# Altium PCB PCB_proj_module.PcbDoc (part 1 of 3) (continued)
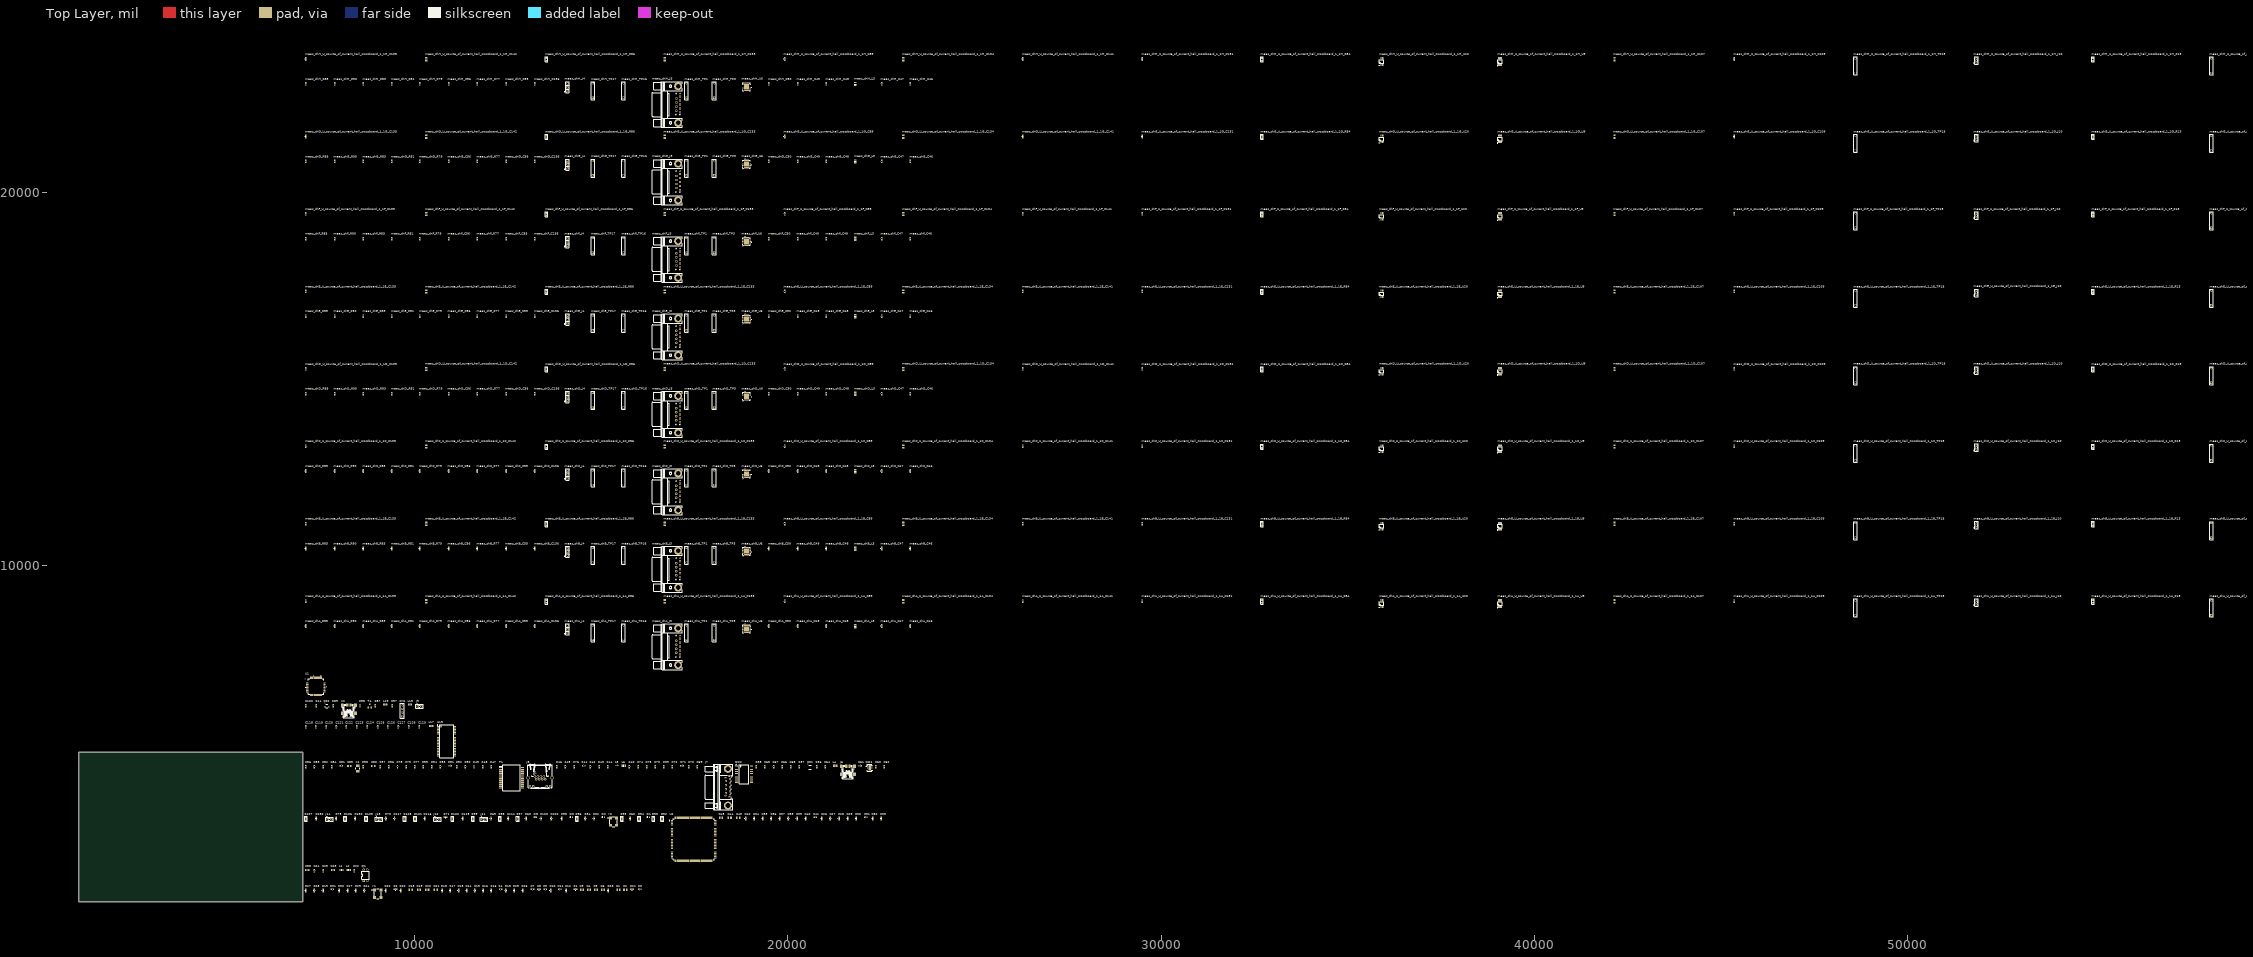
[diagram p0: Top Layer view]
## Classes and differential pairs (continued)
component class AD7768: C1 C2 C3 C4 C5 C6 C7 C8 C9 C10 C11 C12 C13 C14 C15 C16 C17 C18 C19 C20 C21 R1 R2 R3 R4 R15 R16 R17 R18 R19 R20 R21 R22 R23 R24 R25 R26 R27 R28 R29 R30 R31 Y1

## Components (designator, comment, footprint, x,y, rotation, side; value= is the part's Value field where it differs from the comment)
C1 "1uF" 0805C 15460,1320 r0 top
C2 "1uF" 0805C 15645,1320 r0 top
C3 "1uF" 0805C 14485,1320 r0 top
C4 "1uF" 0805C 14670,1320 r0 top
C5 "1uF" 0805C 14860,1320 r0 top
C6 "1uF" 0805C 15045,1320 r0 top
C7 "100nF" 0603C 13155,1330 r0 top
C8 "100nF" 0603C 13330,1330 r0 top
C9 "100nF" 0603C 13500,1330 r0 top
C10 "100nF" 0603C 13640,1300 r90 top
C11 "100nF" 0603C 13890,1330 r0 top
C12 "100nF" 0603C 14060,1300 r90 top
C13 "100nF" 0603C 11175,1300 r90 top
C14 "100nF" 0603C 11395,1300 r90 top
C15 "100nF" 0603C 11615,1300 r90 top
C16 "100nF" 0603C 11835,1300 r90 top
C17 "100nF" 0603C 8205,1300 r90 top
C18 "1uF" 0805C 9895,1320 r0 top
C19 "1uF" 0805C 10115,1320 r0 top
C20 "1uF" 0805C 10335,1320 r0 top
C21 "1uF" 0805C 10565,1320 r0 top
C22 "100nF" 0603C 8380,1830 r90 top
C23 "10uF" 0805C 7810,1850 r0 top
C24 "100nF" 0603C 7315,1830 r90 top
C25 "100nF" 0603C 7545,1830 r90 top
C26 "100nF" 0603C 20910,3230 r90 top
C27 "100nF" 0603C 21140,3230 r90 top
C28 "100nF" 0603C 21370,3230 r90 top
C29 "100nF" 0603C 21600,3230 r90 top
C30 "100nF" 0603C 21830,3230 r90 top
C31 "100nF" 0603C 22090,3260 r0 top
C32 "100nF" 0603C 22270,3230 r90 top
C33 "100nF" 0603C 22500,3230 r90 top
C34 "100nF" 0603C 19095,3230 r90 top
C35 "100nF" 0603C 19325,3230 r90 top
C36 "100nF" 0603C 19555,3230 r90 top
C37 "100nF" 0603C 19785,3230 r90 top
C38 "100nF" 0603C 20015,3230 r90 top
C39 "100nF" 0603C 20245,3230 r90 top
C40 "100nF" 0603C 20475,3230 r90 top
C41 "100nF" 0603C 20735,3260 r0 top
C42 "100nF" 0603C 18865,3230 r90 top
C43 "10uF" 0805C 18670,3250 r0 top
C44 "10uF" 0805C 18440,3250 r0 top
C45 "2.2uF" 0805C 18210,3250 r0 top
C58 "10uF" 0805C 7120,1850 r0 top
C60 "100nF" 0603C 15775,3230 r90 top
C61 "100nF" 0603C 21935,4650 r0 top
C62 "100nF" 0603C 22585,4620 r90 top
C63 "100nF" 0603C 22355,4620 r90 top
C64 "100nF" 0603C 21000,4620 r90 top
C65 "100nF" 0603C 20075,4620 r90 top
C66 "100nF" 0603C 19845,4620 r90 top
C67 "100nF" 0603C 19615,4620 r90 top
C68 "100nF" 0603C 19385,4620 r90 top
C69 "100nF" 0603C 17575,4620 r90 top
C70 "100nF" 0603C 17345,4620 r90 top
C71 "100nF" 0603C 17165,4650 r0 top
C72 "100nF" 0603C 16905,4620 r90 top
C73 "100nF" 0603C 16445,4620 r90 top
C74 "100nF" 0603C 15985,4620 r90 top
C75 "100nF" 0603C 16215,4620 r90 top
C76 "100nF" 0603C 14270,4620 r90 top
C77 "100nF" 0603C 10000,4620 r90 top
C78 "100nF" 0603C 9540,4620 r90 top
C79 "100nF" 0603C 9770,4620 r90 top
C80 "1uF" 0805C 8890,4640 r0 top
C81 "100nF" 0603C 8035,4650 r0 top
C82 "100nF" 0603C 7545,4620 r90 top
C83 "100nF" 0603C 7315,4620 r90 top
C84 "100nF" 0603C 7775,4620 r90 top
C85 "10uF" 0805C 8250,4640 r0 top
C86 "100nF" 0603C 7085,4620 r90 top
C97 "100nF" 0603C 9395,6255 r90 top
C100 "100nF" 0603C 7085,6255 r90 top
C102 "1nF" 0603C 13665,3230 r90 top value=100nF
C103 "100nF" 0603C 13385,3230 r90 top
C111 "100nF" 0603C 12505,3230 r90 top
C115 "1nF" 0603C 11285,3230 r90 top value=100nF
C116 "100nF" 0603C 10270,3230 r90 top
C117 "1nF" 0603C 9460,3230 r90 top value=100nF
C118 "100nF" 0603C 7085,5685 r90 top
C119 "100nF" 0603C 7355,5685 r90 top
C120 "100nF" 0603C 7625,5685 r90 top
C121 "100nF" 0603C 7905,5685 r90 top
C122 "100nF" 0603C 8165,5685 r90 top
C123 "100nF" 0603C 8445,5685 r90 top
C124 "100nF" 0603C 8725,5685 r90 top
C125 "100nF" 0603C 9005,5685 r90 top
C126 "100nF" 0603C 9285,5685 r90 top
C127 "100nF" 0603C 9565,5685 r90 top
C128 "100nF" 0603C 9840,5685 r90 top
C129 "100nF" 0603C 10120,5685 r90 top
C130 "100nF" 0603C 8410,3230 r90 top
C132 "1nF" 0603C 7365,3230 r90 top value=100nF
CN1 "Header 4" HDR_1x4_2R54_V_M 9670,5965 r90 top
CR1 "USBUF02W6" SOTT323-6L_STM-M 20595,4605 r0 top
CR2 "USBUF02W6" SOTT323-6L_STM-M 7645,6240 r0 top
D1 "OK" LED0603 16250,3270 r0 top
D2 "OK" LED0603 15045,3270 r0 top
D3 "OK" LED0603 14185,3270 r0 top
D8 "OK" LED0603 13225,3270 r0 top
DD1 "FT234XD" DFN_12-045 22130,4635 r0 top
DD2 "ADM3251Value" SOIC127P1032X265-20N 18825,4415 r0 top
J6 "USB_mini" TYCO_1734035-1 21605,4635 r0 top
J7 "Family" TYCO_5747844-5 18395,4070 r90 top
J8 "Family" AMPHENOL_RJHSE-5381 13360,4320 r0 top
J9 "PLS2" SAMTEC_TSW-102-23-L-S 10080,6235 r0 top
J11 "PLS2" SAMTEC_TSW-102-23-L-S 11810,3210 r0 top
J12 "PLS2" SAMTEC_TSW-102-23-L-S 10560,3210 r0 top
J13 "PLS2" SAMTEC_TSW-102-23-L-S 8995,3210 r0 top
J14 "PLS2" SAMTEC_TSW-102-23-L-S 7665,3210 r0 top
L1 "BLM211k" RESC2012X50N 8040,1855 r0 top value=1k
L2 "BLM211k" RESC2012X50N 8230,1855 r0 top value=1k
L4 "BLM211k" RESC2012X50N 21265,4645 r0 top value=1k
L5 "BEAD" 0603L 15425,4655 r0 top value=100uH
L6 "BLM211k" RESC2012X50N 15605,4645 r0 top value=1k
L17 "BLM211k" RESC2012X50N 10440,5710 r0 top value=1k
L18 "BLM211k" RESC2012X50N 9875,6280 r0 top value=1k
L19 "BLM211k" RESC2012X50N 9215,6280 r0 top value=1k
meas_chA_C46 "100nF" 0603C 23280,8390 r90 top
meas_chA_C47 "100nF" 0603C 22510,8390 r90 top
meas_chA_C48 "100nF" 0603C 21030,8390 r90 top
meas_chA_C49 "100nF" 0603C 20260,8390 r90 top
meas_chA_C50 "100nF" 0603C 19490,8390 r90 top
meas_chA_C55 "100nF" 0603C 12450,8390 r90 top
meas_chA_C56 "100nF" 0603C 10910,8390 r90 top
meas_chA_C136 "100nF" 0603C 13220,8390 r90 top
meas_chA_J3 "DBR-9M" AMPHENOL_L717DFE09P1ATN 17060,7835 r90 top
meas_chA_J4 "PLS2" COMATEL_385.0358.1.03.400 14090,8200 r90 top
meas_chA_L3 "BLM211k" RESC2012X50N 21805,8385 r90 top value=1k
meas_chA_R77 "10k" 0603R 11680,8390 r90 top
meas_chA_R79 "1k" 0603R 10140,8390 r90 top
meas_chA_R81 "1k" 0603R 9390,8390 r90 top
meas_chA_R83 "1k" 0603R 8625,8390 r90 top
meas_chA_R85 "1k" 0603R 7085,8390 r90 top
meas_chA_R90 "100k" 0603R 7855,8390 r90 top
meas_chA_TP1 "Sens" TP2 17285,8015 r90 top
meas_chA_TP3 "MUX output" TP2 18030,8015 r90 top
meas_chA_TP16 "OSC_TP" TP2 15595,8015 r90 top
meas_chA_TP17 "OSC_TP" TP2 14775,8015 r90 top
meas_chA_U6 "ADA4254ACPZ-R7" CP-28-10_ADI-M 18890,8315 r90 top
meas_chA_U_source_of_current_hall_crossboard_1_1A_C89 "100nF" 0603C 19910,9055 r90 top (schematic designator C89)
meas_chA_U_source_of_current_hall_crossboard_1_1A_C107 "10uF" 0805C 42150,9050 r90 top (schematic designator C107)
meas_chA_U_source_of_current_hall_crossboard_1_1A_C109 "100nF" 0603C 45360,9055 r90 top (schematic designator C109)
meas_chA_U_source_of_current_hall_crossboard_1_1A_C131 "100nF" 0603C 29495,9055 r90 top (schematic designator C131)
meas_chA_U_source_of_current_hall_crossboard_1_1A_C133 "10uF" 0805C 16700,9050 r90 top (schematic designator C133)
meas_chA_U_source_of_current_hall_crossboard_1_1A_C134 "10uF" 0805C 23090,9050 r90 top (schematic designator C134)
meas_chA_U_source_of_current_hall_crossboard_1_1A_C135 "100nF" 0603C 7085,9055 r90 top (schematic designator C135)
meas_chA_U_source_of_current_hall_crossboard_1_1A_C141 "-" 0603C 26295,9055 r90 top value=100nF (schematic designator C141)
meas_chA_U_source_of_current_hall_crossboard_1_1A_C142 "10uF" 0805C 10310,9050 r90 top (schematic designator C142)
meas_chA_U_source_of_current_hall_crossboard_1_1A_J10 "PLS2" SAMTEC_TSW-102-23-L-S 51850,8965 r90 top (schematic designator J10)
meas_chA_U_source_of_current_hall_crossboard_1_1A_R13 "RN73C2A 100R +-10ppm/C" 0805R 54970,9005 r90 top value=10K (schematic designator R13)
meas_chA_U_source_of_current_hall_crossboard_1_1A_R84 "1k" 0805R 32705,9005 r90 top (schematic designator R84)
meas_chA_U_source_of_current_hall_crossboard_1_1A_R86 "RN73C2A 2k49 +-10ppm/C" 0805R 13530,9005 r90 top value=10K (schematic designator R86)
meas_chA_U_source_of_current_hall_crossboard_1_1A_TP14 "OSC_TP" TP2 58140,8680 r90 top (schematic designator TP14)
meas_chA_U_source_of_current_hall_crossboard_1_1A_TP15 "OSC_TP" TP2 48605,8680 r90 top (schematic designator TP15)
meas_chA_U_source_of_current_hall_crossboard_1_1A_U9 "OPA140AIDGKT" SOP65P490X110-8N 39080,8990 r90 top
meas_chA_U_source_of_current_hall_crossboard_1_1A_U20 "LTC6655BHMS8-2.5#PBF" SOP65P490X110-8N 35910,8990 r90 top (schematic designator U20)
meas_chB_C46 "100nF" 0603C 23280,10465 r90 top
meas_chB_C47 "100nF" 0603C 22510,10465 r90 top
meas_chB_C48 "100nF" 0603C 21030,10465 r90 top
meas_chB_C49 "100nF" 0603C 20260,10465 r90 top
meas_chB_C50 "100nF" 0603C 19490,10465 r90 top
meas_chB_C55 "100nF" 0603C 12450,10465 r90 top
meas_chB_C56 "100nF" 0603C 10910,10465 r90 top
meas_chB_C136 "100nF" 0603C 13220,10465 r90 top
meas_chB_J3 "DBR-9M" AMPHENOL_L717DFE09P1ATN 17060,9910 r90 top
meas_chB_J4 "PLS2" COMATEL_385.0358.1.03.400 14090,10275 r90 top
meas_chB_L3 "BLM211k" RESC2012X50N 21805,10460 r90 top value=1k
meas_chB_R77 "10k" 0603R 11680,10465 r90 top
meas_chB_R79 "1k" 0603R 10140,10465 r90 top
meas_chB_R81 "1k" 0603R 9390,10465 r90 top
meas_chB_R83 "1k" 0603R 8625,10465 r90 top
meas_chB_R85 "1k" 0603R 7085,10465 r90 top
meas_chB_R90 "100k" 0603R 7855,10465 r90 top
meas_chB_TP1 "Sens" TP2 17285,10090 r90 top
meas_chB_TP3 "MUX output" TP2 18030,10090 r90 top
meas_chB_TP16 "OSC_TP" TP2 15595,10090 r90 top
meas_chB_TP17 "OSC_TP" TP2 14775,10090 r90 top
meas_chB_U6 "ADA4254ACPZ-R7" CP-28-10_ADI-M 18890,10390 r90 top
meas_chB_U_source_of_current_hall_crossboard_1_1B_C89 "100nF" 0603C 19910,11130 r90 top (schematic designator C89)
meas_chB_U_source_of_current_hall_crossboard_1_1B_C107 "10uF" 0805C 42150,11125 r90 top (schematic designator C107)
meas_chB_U_source_of_current_hall_crossboard_1_1B_C109 "100nF" 0603C 45360,11130 r90 top (schematic designator C109)
meas_chB_U_source_of_current_hall_crossboard_1_1B_C131 "100nF" 0603C 29495,11130 r90 top (schematic designator C131)
meas_chB_U_source_of_current_hall_crossboard_1_1B_C133 "10uF" 0805C 16700,11125 r90 top (schematic designator C133)
meas_chB_U_source_of_current_hall_crossboard_1_1B_C134 "10uF" 0805C 23090,11125 r90 top (schematic designator C134)
meas_chB_U_source_of_current_hall_crossboard_1_1B_C135 "100nF" 0603C 7085,11130 r90 top (schematic designator C135)
meas_chB_U_source_of_current_hall_crossboard_1_1B_C141 "-" 0603C 26295,11130 r90 top value=100nF (schematic designator C141)
meas_chB_U_source_of_current_hall_crossboard_1_1B_C142 "10uF" 0805C 10310,11125 r90 top (schematic designator C142)
meas_chB_U_source_of_current_hall_crossboard_1_1B_J10 "PLS2" SAMTEC_TSW-102-23-L-S 51850,11040 r90 top (schematic designator J10)
meas_chB_U_source_of_current_hall_crossboard_1_1B_R13 "RN73C2A 100R +-10ppm/C" 0805R 54970,11080 r90 top value=10K (schematic designator R13)
meas_chB_U_source_of_current_hall_crossboard_1_1B_R84 "1k" 0805R 32705,11080 r90 top (schematic designator R84)
meas_chB_U_source_of_current_hall_crossboard_1_1B_R86 "RN73C2A 2k49 +-10ppm/C" 0805R 13530,11080 r90 top value=10K (schematic designator R86)
meas_chB_U_source_of_current_hall_crossboard_1_1B_TP14 "OSC_TP" TP2 58140,10755 r90 top (schematic designator TP14)
meas_chB_U_source_of_current_hall_crossboard_1_1B_TP15 "OSC_TP" TP2 48605,10755 r90 top (schematic designator TP15)
meas_chB_U_source_of_current_hall_crossboard_1_1B_U9 "OPA140AIDGKT" SOP65P490X110-8N 39080,11065 r90 top
meas_chB_U_source_of_current_hall_crossboard_1_1B_U20 "LTC6655BHMS8-2.5#PBF" SOP65P490X110-8N 35910,11065 r90 top (schematic designator U20)
meas_chC_C46 "100nF" 0603C 23280,12540 r90 top
meas_chC_C47 "100nF" 0603C 22510,12540 r90 top
meas_chC_C48 "100nF" 0603C 21030,12540 r90 top
meas_chC_C49 "100nF" 0603C 20260,12540 r90 top
meas_chC_C50 "100nF" 0603C 19490,12540 r90 top
meas_chC_C55 "100nF" 0603C 12450,12540 r90 top
meas_chC_C56 "100nF" 0603C 10910,12540 r90 top
meas_chC_C136 "100nF" 0603C 13220,12540 r90 top
meas_chC_J3 "DBR-9M" AMPHENOL_L717DFE09P1ATN 17060,11985 r90 top
meas_chC_J4 "PLS2" COMATEL_385.0358.1.03.400 14090,12350 r90 top
meas_chC_L3 "BLM211k" RESC2012X50N 21805,12535 r90 top value=1k
meas_chC_R77 "10k" 0603R 11680,12540 r90 top
meas_chC_R79 "1k" 0603R 10140,12540 r90 top
meas_chC_R81 "1k" 0603R 9390,12540 r90 top
meas_chC_R83 "1k" 0603R 8625,12540 r90 top
meas_chC_R85 "1k" 0603R 7085,12540 r90 top
meas_chC_R90 "100k" 0603R 7855,12540 r90 top
meas_chC_TP1 "Sens" TP2 17285,12165 r90 top
meas_chC_TP3 "MUX output" TP2 18030,12165 r90 top
meas_chC_TP16 "OSC_TP" TP2 15595,12165 r90 top
meas_chC_TP17 "OSC_TP" TP2 14775,12165 r90 top
meas_chC_U6 "ADA4254ACPZ-R7" CP-28-10_ADI-M 18890,12465 r90 top
meas_chC_U_source_of_current_hall_crossboard_1_1C_C89 "100nF" 0603C 19910,13205 r90 top (schematic designator C89)
meas_chC_U_source_of_current_hall_crossboard_1_1C_C107 "10uF" 0805C 42150,13200 r90 top (schematic designator C107)
meas_chC_U_source_of_current_hall_crossboard_1_1C_C109 "100nF" 0603C 45360,13205 r90 top (schematic designator C109)
meas_chC_U_source_of_current_hall_crossboard_1_1C_C131 "100nF" 0603C 29495,13205 r90 top (schematic designator C131)
meas_chC_U_source_of_current_hall_crossboard_1_1C_C133 "10uF" 0805C 16700,13200 r90 top (schematic designator C133)
meas_chC_U_source_of_current_hall_crossboard_1_1C_C134 "10uF" 0805C 23090,13200 r90 top (schematic designator C134)
meas_chC_U_source_of_current_hall_crossboard_1_1C_C135 "100nF" 0603C 7085,13205 r90 top (schematic designator C135)
meas_chC_U_source_of_current_hall_crossboard_1_1C_C141 "-" 0603C 26295,13205 r90 top value=100nF (schematic designator C141)
meas_chC_U_source_of_current_hall_crossboard_1_1C_C142 "10uF" 0805C 10310,13200 r90 top (schematic designator C142)
meas_chC_U_source_of_current_hall_crossboard_1_1C_J10 "PLS2" SAMTEC_TSW-102-23-L-S 51850,13115 r90 top (schematic designator J10)
meas_chC_U_source_of_current_hall_crossboard_1_1C_R13 "RN73C2A 100R +-10ppm/C" 0805R 54970,13155 r90 top value=10K (schematic designator R13)
meas_chC_U_source_of_current_hall_crossboard_1_1C_R84 "1k" 0805R 32705,13155 r90 top (schematic designator R84)
meas_chC_U_source_of_current_hall_crossboard_1_1C_R86 "RN73C2A 2k49 +-10ppm/C" 0805R 13530,13155 r90 top value=10K (schematic designator R86)
meas_chC_U_source_of_current_hall_crossboard_1_1C_TP14 "OSC_TP" TP2 58140,12830 r90 top (schematic designator TP14)
meas_chC_U_source_of_current_hall_crossboard_1_1C_TP15 "OSC_TP" TP2 48605,12830 r90 top (schematic designator TP15)
meas_chC_U_source_of_current_hall_crossboard_1_1C_U9 "OPA140AIDGKT" SOP65P490X110-8N 39080,13140 r90 top
meas_chC_U_source_of_current_hall_crossboard_1_1C_U20 "LTC6655BHMS8-2.5#PBF" SOP65P490X110-8N 35910,13140 r90 top (schematic designator U20)
meas_chD_C46 "100nF" 0603C 23280,14615 r90 top
meas_chD_C47 "100nF" 0603C 22510,14615 r90 top
meas_chD_C48 "100nF" 0603C 21030,14615 r90 top
meas_chD_C49 "100nF" 0603C 20260,14615 r90 top
meas_chD_C50 "100nF" 0603C 19490,14615 r90 top
meas_chD_C55 "100nF" 0603C 12450,14615 r90 top
meas_chD_C56 "100nF" 0603C 10910,14615 r90 top
meas_chD_C136 "100nF" 0603C 13220,14615 r90 top
meas_chD_J3 "DBR-9M" AMPHENOL_L717DFE09P1ATN 17060,14060 r90 top
meas_chD_J4 "PLS2" COMATEL_385.0358.1.03.400 14090,14425 r90 top
meas_chD_L3 "BLM211k" RESC2012X50N 21805,14610 r90 top value=1k
meas_chD_R77 "10k" 0603R 11680,14615 r90 top
meas_chD_R79 "1k" 0603R 10140,14615 r90 top
meas_chD_R81 "1k" 0603R 9390,14615 r90 top
meas_chD_R83 "1k" 0603R 8625,14615 r90 top
meas_chD_R85 "1k" 0603R 7085,14615 r90 top
meas_chD_R90 "100k" 0603R 7855,14615 r90 top
meas_chD_TP1 "Sens" TP2 17285,14240 r90 top
meas_chD_TP3 "MUX output" TP2 18030,14240 r90 top
meas_chD_TP16 "OSC_TP" TP2 15595,14240 r90 top
meas_chD_TP17 "OSC_TP" TP2 14775,14240 r90 top
meas_chD_U6 "ADA4254ACPZ-R7" CP-28-10_ADI-M 18890,14540 r90 top
meas_chD_U_source_of_current_hall_crossboard_1_1D_C89 "100nF" 0603C 19910,15280 r90 top (schematic designator C89)
meas_chD_U_source_of_current_hall_crossboard_1_1D_C107 "10uF" 0805C 42150,15275 r90 top (schematic designator C107)
meas_chD_U_source_of_current_hall_crossboard_1_1D_C109 "100nF" 0603C 45360,15280 r90 top (schematic designator C109)
meas_chD_U_source_of_current_hall_crossboard_1_1D_C131 "100nF" 0603C 29495,15280 r90 top (schematic designator C131)
meas_chD_U_source_of_current_hall_crossboard_1_1D_C133 "10uF" 0805C 16700,15275 r90 top (schematic designator C133)
meas_chD_U_source_of_current_hall_crossboard_1_1D_C134 "10uF" 0805C 23090,15275 r90 top (schematic designator C134)
meas_chD_U_source_of_current_hall_crossboard_1_1D_C135 "100nF" 0603C 7085,15280 r90 top (schematic designator C135)
meas_chD_U_source_of_current_hall_crossboard_1_1D_C141 "-" 0603C 26295,15280 r90 top value=100nF (schematic designator C141)
meas_chD_U_source_of_current_hall_crossboard_1_1D_C142 "10uF" 0805C 10310,15275 r90 top (schematic designator C142)
meas_chD_U_source_of_current_hall_crossboard_1_1D_J10 "PLS2" SAMTEC_TSW-102-23-L-S 51850,15190 r90 top (schematic designator J10)
meas_chD_U_source_of_current_hall_crossboard_1_1D_R13 "RN73C2A 100R +-10ppm/C" 0805R 54970,15230 r90 top value=10K (schematic designator R13)
meas_chD_U_source_of_current_hall_crossboard_1_1D_R84 "1k" 0805R 32705,15230 r90 top (schematic designator R84)
meas_chD_U_source_of_current_hall_crossboard_1_1D_R86 "RN73C2A 2k49 +-10ppm/C" 0805R 13530,15230 r90 top value=10K (schematic designator R86)
meas_chD_U_source_of_current_hall_crossboard_1_1D_TP14 "OSC_TP" TP2 58140,14905 r90 top (schematic designator TP14)
meas_chD_U_source_of_current_hall_crossboard_1_1D_TP15 "OSC_TP" TP2 48605,14905 r90 top (schematic designator TP15)
meas_chD_U_source_of_current_hall_crossboard_1_1D_U9 "OPA140AIDGKT" SOP65P490X110-8N 39080,15215 r90 top
meas_chD_U_source_of_current_hall_crossboard_1_1D_U20 "LTC6655BHMS8-2.5#PBF" SOP65P490X110-8N 35910,15215 r90 top (schematic designator U20)
meas_chE_C46 "100nF" 0603C 23280,16690 r90 top
meas_chE_C47 "100nF" 0603C 22510,16690 r90 top
meas_chE_C48 "100nF" 0603C 21030,16690 r90 top
meas_chE_C49 "100nF" 0603C 20260,16690 r90 top
meas_chE_C50 "100nF" 0603C 19490,16690 r90 top
meas_chE_C55 "100nF" 0603C 12450,16690 r90 top
meas_chE_C56 "100nF" 0603C 10910,16690 r90 top
meas_chE_C136 "100nF" 0603C 13220,16690 r90 top
meas_chE_J3 "DBR-9M" AMPHENOL_L717DFE09P1ATN 17060,16135 r90 top
meas_chE_J4 "PLS2" COMATEL_385.0358.1.03.400 14090,16500 r90 top
meas_chE_L3 "BLM211k" RESC2012X50N 21805,16685 r90 top value=1k
meas_chE_R77 "10k" 0603R 11680,16690 r90 top
meas_chE_R79 "1k" 0603R 10140,16690 r90 top
meas_chE_R81 "1k" 0603R 9390,16690 r90 top
meas_chE_R83 "1k" 0603R 8625,16690 r90 top
meas_chE_R85 "1k" 0603R 7085,16690 r90 top
meas_chE_R90 "100k" 0603R 7855,16690 r90 top
meas_chE_TP1 "Sens" TP2 17285,16315 r90 top
meas_chE_TP3 "MUX output" TP2 18030,16315 r90 top
meas_chE_TP16 "OSC_TP" TP2 15595,16315 r90 top
meas_chE_TP17 "OSC_TP" TP2 14775,16315 r90 top
meas_chE_U6 "ADA4254ACPZ-R7" CP-28-10_ADI-M 18890,16615 r90 top
meas_chE_U_source_of_current_hall_crossboard_1_1E_C89 "100nF" 0603C 19910,17355 r90 top (schematic designator C89)
meas_chE_U_source_of_current_hall_crossboard_1_1E_C107 "10uF" 0805C 42150,17350 r90 top (schematic designator C107)
meas_chE_U_source_of_current_hall_crossboard_1_1E_C109 "100nF" 0603C 45360,17355 r90 top (schematic designator C109)
meas_chE_U_source_of_current_hall_crossboard_1_1E_C131 "100nF" 0603C 29495,17355 r90 top (schematic designator C131)
meas_chE_U_source_of_current_hall_crossboard_1_1E_C133 "10uF" 0805C 16700,17350 r90 top (schematic designator C133)
meas_chE_U_source_of_current_hall_crossboard_1_1E_C134 "10uF" 0805C 23090,17350 r90 top (schematic designator C134)
meas_chE_U_source_of_current_hall_crossboard_1_1E_C135 "100nF" 0603C 7085,17355 r90 top (schematic designator C135)
meas_chE_U_source_of_current_hall_crossboard_1_1E_C141 "-" 0603C 26295,17355 r90 top value=100nF (schematic designator C141)
meas_chE_U_source_of_current_hall_crossboard_1_1E_C142 "10uF" 0805C 10310,17350 r90 top (schematic designator C142)
meas_chE_U_source_of_current_hall_crossboard_1_1E_J10 "PLS2" SAMTEC_TSW-102-23-L-S 51850,17265 r90 top (schematic designator J10)
meas_chE_U_source_of_current_hall_crossboard_1_1E_R13 "RN73C2A 100R +-10ppm/C" 0805R 54970,17305 r90 top value=10K (schematic designator R13)
meas_chE_U_source_of_current_hall_crossboard_1_1E_R84 "1k" 0805R 32705,17305 r90 top (schematic designator R84)
meas_chE_U_source_of_current_hall_crossboard_1_1E_R86 "RN73C2A 2k49 +-10ppm/C" 0805R 13530,17305 r90 top value=10K (schematic designator R86)
meas_chE_U_source_of_current_hall_crossboard_1_1E_TP14 "OSC_TP" TP2 58140,16980 r90 top (schematic designator TP14)
meas_chE_U_source_of_current_hall_crossboard_1_1E_TP15 "OSC_TP" TP2 48605,16980 r90 top (schematic designator TP15)
meas_chE_U_source_of_current_hall_crossboard_1_1E_U9 "OPA140AIDGKT" SOP65P490X110-8N 39080,17290 r90 top
meas_chE_U_source_of_current_hall_crossboard_1_1E_U20 "LTC6655BHMS8-2.5#PBF" SOP65P490X110-8N 35910,17290 r90 top (schematic designator U20)
meas_chF_C46 "100nF" 0603C 23280,18765 r90 top
meas_chF_C47 "100nF" 0603C 22510,18765 r90 top
meas_chF_C48 "100nF" 0603C 21030,18765 r90 top
meas_chF_C49 "100nF" 0603C 20260,18765 r90 top
meas_chF_C50 "100nF" 0603C 19490,18765 r90 top
meas_chF_C55 "100nF" 0603C 12450,18765 r90 top
meas_chF_C56 "100nF" 0603C 10910,18765 r90 top
meas_chF_C136 "100nF" 0603C 13220,18765 r90 top
meas_chF_J3 "DBR-9M" AMPHENOL_L717DFE09P1ATN 17060,18210 r90 top
meas_chF_J4 "PLS2" COMATEL_385.0358.1.03.400 14090,18575 r90 top
meas_chF_L3 "BLM211k" RESC2012X50N 21805,18760 r90 top value=1k
meas_chF_R77 "10k" 0603R 11680,18765 r90 top
meas_chF_R79 "1k" 0603R 10140,18765 r90 top
meas_chF_R81 "1k" 0603R 9390,18765 r90 top
meas_chF_R83 "1k" 0603R 8625,18765 r90 top
meas_chF_R85 "1k" 0603R 7085,18765 r90 top
meas_chF_R90 "100k" 0603R 7855,18765 r90 top
meas_chF_TP1 "Sens" TP2 17285,18390 r90 top
meas_chF_TP3 "MUX output" TP2 18030,18390 r90 top
meas_chF_TP16 "OSC_TP" TP2 15595,18390 r90 top
meas_chF_TP17 "OSC_TP" TP2 14775,18390 r90 top
meas_chF_U6 "ADA4254ACPZ-R7" CP-28-10_ADI-M 18890,18690 r90 top
meas_chF_U_source_of_current_hall_crossboard_1_1F_C89 "100nF" 0603C 19910,19430 r90 top (schematic designator C89)
meas_chF_U_source_of_current_hall_crossboard_1_1F_C107 "10uF" 0805C 42150,19425 r90 top (schematic designator C107)
meas_chF_U_source_of_current_hall_crossboard_1_1F_C109 "100nF" 0603C 45360,19430 r90 top (schematic designator C109)
meas_chF_U_source_of_current_hall_crossboard_1_1F_C131 "100nF" 0603C 29495,19430 r90 top (schematic designator C131)
meas_chF_U_source_of_current_hall_crossboard_1_1F_C133 "10uF" 0805C 16700,19425 r90 top (schematic designator C133)
meas_chF_U_source_of_current_hall_crossboard_1_1F_C134 "10uF" 0805C 23090,19425 r90 top (schematic designator C134)
meas_chF_U_source_of_current_hall_crossboard_1_1F_C135 "100nF" 0603C 7085,19430 r90 top (schematic designator C135)
meas_chF_U_source_of_current_hall_crossboard_1_1F_C141 "-" 0603C 26295,19430 r90 top value=100nF (schematic designator C141)
meas_chF_U_source_of_current_hall_crossboard_1_1F_C142 "10uF" 0805C 10310,19425 r90 top (schematic designator C142)
meas_chF_U_source_of_current_hall_crossboard_1_1F_J10 "PLS2" SAMTEC_TSW-102-23-L-S 51850,19340 r90 top (schematic designator J10)
meas_chF_U_source_of_current_hall_crossboard_1_1F_R13 "RN73C2A 100R +-10ppm/C" 0805R 54970,19380 r90 top value=10K (schematic designator R13)
meas_chF_U_source_of_current_hall_crossboard_1_1F_R84 "1k" 0805R 32705,19380 r90 top (schematic designator R84)
meas_chF_U_source_of_current_hall_crossboard_1_1F_R86 "RN73C2A 2k49 +-10ppm/C" 0805R 13530,19380 r90 top value=10K (schematic designator R86)
meas_chF_U_source_of_current_hall_crossboard_1_1F_TP14 "OSC_TP" TP2 58140,19055 r90 top (schematic designator TP14)
meas_chF_U_source_of_current_hall_crossboard_1_1F_TP15 "OSC_TP" TP2 48605,19055 r90 top (schematic designator TP15)
meas_chF_U_source_of_current_hall_crossboard_1_1F_U9 "OPA140AIDGKT" SOP65P490X110-8N 39080,19365 r90 top
meas_chF_U_source_of_current_hall_crossboard_1_1F_U20 "LTC6655BHMS8-2.5#PBF" SOP65P490X110-8N 35910,19365 r90 top (schematic designator U20)
meas_chG_C46 "100nF" 0603C 23280,20840 r90 top
meas_chG_C47 "100nF" 0603C 22510,20840 r90 top
meas_chG_C48 "100nF" 0603C 21030,20840 r90 top
meas_chG_C49 "100nF" 0603C 20260,20840 r90 top
meas_chG_C50 "100nF" 0603C 19490,20840 r90 top
meas_chG_C55 "100nF" 0603C 12450,20840 r90 top
meas_chG_C56 "100nF" 0603C 10910,20840 r90 top
meas_chG_C136 "100nF" 0603C 13220,20840 r90 top
meas_chG_J3 "DBR-9M" AMPHENOL_L717DFE09P1ATN 17060,20285 r90 top
meas_chG_J4 "PLS2" COMATEL_385.0358.1.03.400 14090,20650 r90 top
meas_chG_L3 "BLM211k" RESC2012X50N 21805,20835 r90 top value=1k
meas_chG_R77 "10k" 0603R 11680,20840 r90 top
meas_chG_R79 "1k" 0603R 10140,20840 r90 top
meas_chG_R81 "1k" 0603R 9390,20840 r90 top
meas_chG_R83 "1k" 0603R 8625,20840 r90 top
meas_chG_R85 "1k" 0603R 7085,20840 r90 top
meas_chG_R90 "100k" 0603R 7855,20840 r90 top
meas_chG_TP1 "Sens" TP2 17285,20465 r90 top
meas_chG_TP3 "MUX output" TP2 18030,20465 r90 top
meas_chG_TP16 "OSC_TP" TP2 15595,20465 r90 top
meas_chG_TP17 "OSC_TP" TP2 14775,20465 r90 top
meas_chG_U6 "ADA4254ACPZ-R7" CP-28-10_ADI-M 18890,20765 r90 top
meas_chG_U_source_of_current_hall_crossboard_1_1G_C89 "100nF" 0603C 19910,21505 r90 top (schematic designator C89)
meas_chG_U_source_of_current_hall_crossboard_1_1G_C107 "10uF" 0805C 42150,21500 r90 top (schematic designator C107)
meas_chG_U_source_of_current_hall_crossboard_1_1G_C109 "100nF" 0603C 45360,21505 r90 top (schematic designator C109)
meas_chG_U_source_of_current_hall_crossboard_1_1G_C131 "100nF" 0603C 29495,21505 r90 top (schematic designator C131)
meas_chG_U_source_of_current_hall_crossboard_1_1G_C133 "10uF" 0805C 16700,21500 r90 top (schematic designator C133)
meas_chG_U_source_of_current_hall_crossboard_1_1G_C134 "10uF" 0805C 23090,21500 r90 top (schematic designator C134)
meas_chG_U_source_of_current_hall_crossboard_1_1G_C135 "100nF" 0603C 7085,21505 r90 top (schematic designator C135)
meas_chG_U_source_of_current_hall_crossboard_1_1G_C141 "-" 0603C 26295,21505 r90 top value=100nF (schematic designator C141)
meas_chG_U_source_of_current_hall_crossboard_1_1G_C142 "10uF" 0805C 10310,21500 r90 top (schematic designator C142)
meas_chG_U_source_of_current_hall_crossboard_1_1G_J10 "PLS2" SAMTEC_TSW-102-23-L-S 51850,21415 r90 top (schematic designator J10)
meas_chG_U_source_of_current_hall_crossboard_1_1G_R13 "RN73C2A 100R +-10ppm/C" 0805R 54970,21455 r90 top value=10K (schematic designator R13)
meas_chG_U_source_of_current_hall_crossboard_1_1G_R84 "1k" 0805R 32705,21455 r90 top (schematic designator R84)
meas_chG_U_source_of_current_hall_crossboard_1_1G_R86 "RN73C2A 2k49 +-10ppm/C" 0805R 13530,21455 r90 top value=10K (schematic designator R86)
meas_chG_U_source_of_current_hall_crossboard_1_1G_TP14 "OSC_TP" TP2 58140,21130 r90 top (schematic designator TP14)
meas_chG_U_source_of_current_hall_crossboard_1_1G_TP15 "OSC_TP" TP2 48605,21130 r90 top (schematic designator TP15)
meas_chG_U_source_of_current_hall_crossboard_1_1G_U9 "OPA140AIDGKT" SOP65P490X110-8N 39080,21440 r90 top
meas_chG_U_source_of_current_hall_crossboard_1_1G_U20 "LTC6655BHMS8-2.5#PBF" SOP65P490X110-8N 35910,21440 r90 top (schematic designator U20)
meas_chH_C46 "100nF" 0603C 23280,22915 r90 top
meas_chH_C47 "100nF" 0603C 22510,22915 r90 top
meas_chH_C48 "100nF" 0603C 21030,22915 r90 top
meas_chH_C49 "100nF" 0603C 20260,22915 r90 top
meas_chH_C50 "100nF" 0603C 19490,22915 r90 top
meas_chH_C55 "100nF" 0603C 12450,22915 r90 top
meas_chH_C56 "100nF" 0603C 10910,22915 r90 top
meas_chH_C136 "100nF" 0603C 13220,22915 r90 top
meas_chH_J3 "DBR-9M" AMPHENOL_L717DFE09P1ATN 17060,22360 r90 top
meas_chH_J4 "PLS2" COMATEL_385.0358.1.03.400 14090,22725 r90 top
meas_chH_L3 "BLM211k" RESC2012X50N 21805,22910 r90 top value=1k
meas_chH_R77 "10k" 0603R 11680,22915 r90 top
meas_chH_R79 "1k" 0603R 10140,22915 r90 top
meas_chH_R81 "1k" 0603R 9390,22915 r90 top
meas_chH_R83 "1k" 0603R 8625,22915 r90 top
meas_chH_R85 "1k" 0603R 7085,22915 r90 top
meas_chH_R90 "100k" 0603R 7855,22915 r90 top
meas_chH_TP1 "Sens" TP2 17285,22540 r90 top
meas_chH_TP3 "MUX output" TP2 18030,22540 r90 top
meas_chH_TP16 "OSC_TP" TP2 15595,22540 r90 top
meas_chH_TP17 "OSC_TP" TP2 14775,22540 r90 top
meas_chH_U6 "ADA4254ACPZ-R7" CP-28-10_ADI-M 18890,22840 r90 top
meas_chH_U_source_of_current_hall_crossboard_1_1H_C89 "100nF" 0603C 19910,23580 r90 top (schematic designator C89)
meas_chH_U_source_of_current_hall_crossboard_1_1H_C107 "10uF" 0805C 42150,23575 r90 top (schematic designator C107)
meas_chH_U_source_of_current_hall_crossboard_1_1H_C109 "100nF" 0603C 45360,23580 r90 top (schematic designator C109)
meas_chH_U_source_of_current_hall_crossboard_1_1H_C131 "100nF" 0603C 29495,23580 r90 top (schematic designator C131)
meas_chH_U_source_of_current_hall_crossboard_1_1H_C133 "10uF" 0805C 16700,23575 r90 top (schematic designator C133)
meas_chH_U_source_of_current_hall_crossboard_1_1H_C134 "10uF" 0805C 23090,23575 r90 top (schematic designator C134)
meas_chH_U_source_of_current_hall_crossboard_1_1H_C135 "100nF" 0603C 7085,23580 r90 top (schematic designator C135)
meas_chH_U_source_of_current_hall_crossboard_1_1H_C141 "-" 0603C 26295,23580 r90 top value=100nF (schematic designator C141)
meas_chH_U_source_of_current_hall_crossboard_1_1H_C142 "10uF" 0805C 10310,23575 r90 top (schematic designator C142)
meas_chH_U_source_of_current_hall_crossboard_1_1H_J10 "PLS2" SAMTEC_TSW-102-23-L-S 51850,23490 r90 top (schematic designator J10)
meas_chH_U_source_of_current_hall_crossboard_1_1H_R13 "RN73C2A 100R +-10ppm/C" 0805R 54970,23530 r90 top value=10K (schematic designator R13)
meas_chH_U_source_of_current_hall_crossboard_1_1H_R84 "1k" 0805R 32705,23530 r90 top (schematic designator R84)